# Altium PCB AEX1_PiOBD_V0.2_ALLPCB_6L.PcbDoc (part 1 of 4) (continued)
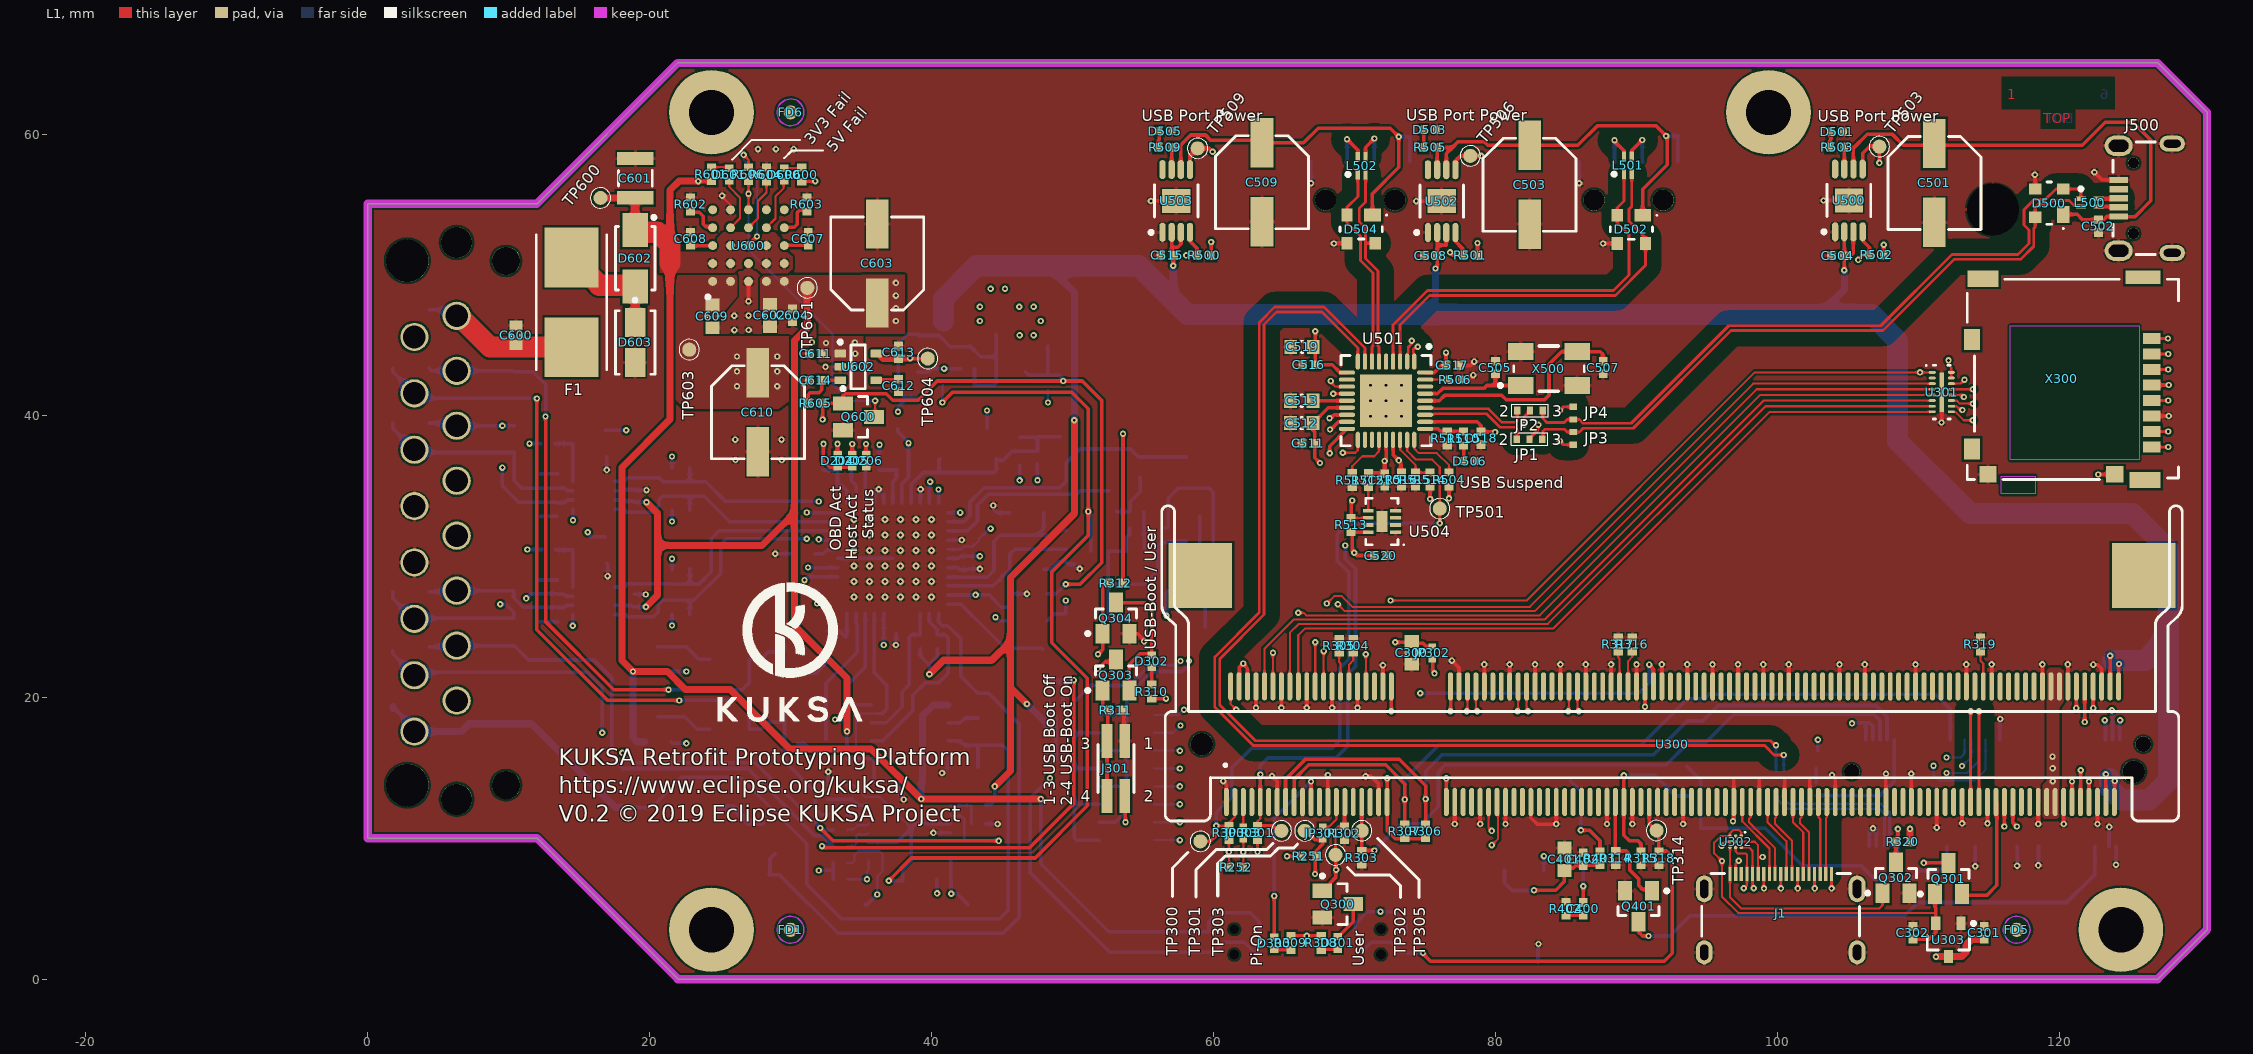
[diagram p0: L1 view]
## Classes and differential pairs (continued)
net class TP212_Nets: HS_CAN_TX
net class TP211_Nets: HS_CAN_RX
net class TP210_Nets: NetJP303_1
net class TP209_Nets: \PWR_SAVE
net class TP208_Nets: NetJP301_1
net class TP207_Nets: PWR_SAVE
net class TP205_Nets: MS_CAN_TX
net class TP204_Nets: MS_CAN_RX
net class TP203_Nets: ISO_K_RX
net class TP202_Nets: ISO_L_TX
net class TP201_Nets: SW_CAN_RX
net class TP200_Nets: SW_CAN_TX
net class TP109_Nets: NetC200_2
net class TP108_Nets: J1850_BUS+
net class TP107_Nets: NetD104_2
net class TP106_Nets: NetD103_2
net class TP105_Nets: K-LINE
net class TP104_Nets: J1850_BUS-
net class TP103_Nets: NetD104_1
net class TP102_Nets: NetD103_1
net class TP101_Nets: NetD101_1
net class TP100_Nets: DLC_RAW
net class S300_Nets: 3.3V NetR318_2
net class S200_Nets: DLC NetR247_2
net class R605_Nets: \PWR_SAVE NetC614_1
net class R604_Nets: GND NetR604_2
net class R603_Nets: GND NetR603_2
net class R602_Nets: GND NetR602_2
net class R601_Nets: DLC NetD601_A
net class R600_Nets: DLC NetD600_A
net class R517_Nets: GND NetR512_1
net class R516_Nets: GND NetR513_1
net class R515_Nets: GND NetR514_1
net class R514_Nets: 3.3V_SW NetR514_1
net class R513_Nets: 3.3V_SW NetR513_1
net class R512_Nets: 3.3V_SW NetR512_1
net class R511_Nets: GND NetR510_2
net class R510_Nets: NetD506_A NetR510_2
net class R509_Nets: NetC509_1 NetD505_A
net class R506_Nets: GND NetR506_2
net class R505_Nets: NetC503_1 NetD503_A
net class R504_Nets: 3.3V_SW NetR504_2
net class R503_Nets: NetC501_1 NetD501_A
net class R502_Nets: 3.3V_SW NetR502_2
net class R501_Nets: 3.3V_SW NetR501_2
net class R500_Nets: 3.3V_SW NetR500_2
net class R402_Nets: GND NetC400_1
net class R401_Nets: UIM1_DATA UIM1_PWR
net class R400_Nets: 3.3V_SW NetD400_A
net class R320_Nets: 1.8V HDMI_HPD_N_1V8
net class R319_Nets: GND NetR319_1
net class R318_Nets: GND NetR318_2
net class R317_Nets: GND NetR317_2
net class R316_Nets: GND NetR316_2
net class R315_Nets: GND NetQ400_G
net class R314_Nets: GND NetQ401_G
net class R308_Nets: 3.3V NetD301_A
net class R307_Nets: 3.3V_SW NetP400_26
net class R306_Nets: 3.3V_SW NetP400_8
net class R305_Nets: GND NetR305_2
net class R304_Nets: GND NetR304_2
net class R303_Nets: GND NetP400_6
net class R302_Nets: GND NetQ300_G
net class R301_Nets: 3.3V NetR301_1
net class R300_Nets: 3.3V NetR300_1
net class R250_Nets: ANALOG_IN GND
net class R249_Nets: GND NetR243_1
net class R248_Nets: ANALOG_IN DLC
net class R247_Nets: ANALOG_IN NetR247_2
net class R246_Nets: J1850_BUS+ NetR246_1
net class R245_Nets: GND J1850_BUS-_TX
net class R244_Nets: 3.3V VPW_RX
net class R243_Nets: 5V_SW NetR243_1
net class R242_Nets: 3.3V NetC213_1
net class R241_Nets: NetD206_A NetR241_1
net class R240_Nets: NetD205_C NetR240_1
net class R239_Nets: NetD204_C NetJP200_2
net class R238_Nets: 3.3V NetJP200_2
net class R237_Nets: J1850_BUS- NetD202_3
net class R236_Nets: J1850_BUS+ NetR236_1
net class R235_Nets: J1850_BUS- NetR235_1
net class R234_Nets: 3.3V PWM_RX
net class R233_Nets: NetC212_2 NetD103_1
net class R232_Nets: NetC211_2 NetD103_2
net class R231_Nets: GND J1850_BUS+_TX
net class R230_Nets: GND NetQ210_D
net class R229_Nets: 3.3V NetQ212_D
net class R228_Nets: J1850_BUS+ NetD201_1
net class R227_Nets: NetQ209_1 V_J1850
net class R226_Nets: NetQ210_D NetR225_1
net class R225_Nets: NetR225_1 V_J1850
net class R224_Nets: 3.3V MS_CAN_RX
net class R223_Nets: 3.3V HS_CAN_RX
net class R222_Nets: 3.3V MS_CAN_TX
net class R221_Nets: 3.3V HS_CAN_TX
net class R220_Nets: 3.3V NetJ300_4
net class R219_Nets: NetC206_2 NetD104_1
net class R218_Nets: NetC205_2 NetD104_2
net class R217_Nets: 3.3V \PWR_SAVE
net class R216_Nets: 3.3V NetQ208_D
net class R215_Nets: DLC PWR_SAVE
net class R214_Nets: 5V_SW SW_CAN_MODE0
net class R213_Nets: 5V_SW SW_CAN_MODE1
net class R212_Nets: ISO_K_RX NetQ204_1
net class R211_Nets: ISO_L_TX NetQ203_1
net class R210_Nets: GND SW_CAN_LOAD
net class R209_Nets: GND NetR205_2
net class R208_Nets: K-LINE NetQ201_3
net class R207_Nets: NetD101_1 NetQ200_3
net class R206_Nets: K-LINE NetR206_1
net class R205_Nets: DLC_SW NetR205_2
net class R204_Nets: 3.3V ISO_RX
net class R203_Nets: NetC200_2 NetQ202_D
net class R202_Nets: NetC200_2 NetR202_1
net class R201_Nets: 5V SW_CAN_TX
net class R200_Nets: 3.3V SW_CAN_RX
net class Q401_Nets: GND NetP400_67 NetQ401_G
net class Q400_Nets: GND NetP400_25 NetQ400_G
net class Q302_Nets: GND HDMI_HPD HDMI_HPD_N_1V8
net class Q301_Nets: H5V HDMI_CEC NetJ1_14
net class Q300_Nets: GND NetD301_C NetQ300_G
net class Q213_Nets: GND J1850_BUS- J1850_BUS-_TX
net class Q212_Nets: \PWR_SAVE GND NetQ212_D
net class Q211_Nets: GND J1850_BUS+_TX NetQ209_1
net class Q210_Nets: GND J1850_BUS+_VH NetQ210_D
net class Q209_Nets: NetD200_1 NetQ209_1 V_J1850
net class Q208_Nets: \PWR_SAVE GND NetQ208_D
net class Q205_Nets: DLC DLC_SW PWR_SAVE
net class Q204_Nets: GND K-LINE NetQ204_1
net class Q203_Nets: GND NetD101_1 NetQ203_1
net class Q202_Nets: GND NetQ202_D SW_CAN_LOAD
net class Q201_Nets: DLC NetQ201_3 PWR_SAVE
net class Q200_Nets: DLC NetQ200_3 PWR_SAVE
net class P400_Nets: 3.3V_SW GND NetD400_C NetP400_1 NetP400_6 NetP400_8 NetP400_20 NetP400_21 NetP400_22 NetP400_23 NetP400_24 NetP400_25 NetP400_26 NetP400_28 NetP400_29 NetP400_31 NetP400_35 NetP400_37 NetP400_38 NetP400_41 NetP400_42 NetP400_43 NetP400_44 NetP400_46 NetP400_47 NetP400_48 NetP400_49 NetP400_50 NetP400_52 NetP400_53 NetP400_54 NetP400_55 NetP400_56 NetP400_58 NetP400_60 NetP400_62 NetP400_64 NetP400_66 NetP400_67 NetP400_68 NetP400_69 NetP400_75 UIM1_CLK UIM1_DATA UIM1_PWR UIM1_RESET USB_LTE_N USB_LTE_P
net class P100_Nets: DLC_RAW GND J1850_BUS+ J1850_BUS- K-LINE NetC200_2 NetD101_1 NetD103_1 NetD103_2 NetD104_1 NetD104_2 NetP100_8 NetP100_9 NetP100_12 NetP100_13
net class L503_Nets: USB_LTE_N USB_LTE_P USBDN4_N USBDN4_P
net class L502_Nets: USB3_N USB3_P USBDN3_N USBDN3_P
net class L501_Nets: USB2_N USB2_P USBDN2_N USBDN2_P
net class L500_Nets: USB1_N USB1_P USBDNX_N USBDNX_P
net class JP200_Nets: GND NetJP200_2
net class J502_Nets: GND NetC509_1 USB3_N USB3_P
net class J501_Nets: GND NetC503_1 USB2_N USB2_P
net class J500_Nets: GND NetC501_1 USB1_N USB1_P
net class D601_Nets: NetD601_A NetD601_C
net class D600_Nets: NetD600_A NetD600_C
net class D506_Nets: GND NetD506_A
net class D505_Nets: GND NetD505_A
net class D504_Nets: GND NetC509_1 USBDN3_N USBDN3_P
net class D503_Nets: GND NetD503_A
net class D502_Nets: GND NetC503_1 USBDN2_N USBDN2_P
net class D501_Nets: GND NetD501_A
net class D400_Nets: NetD400_A NetD400_C
net class D301_Nets: NetD301_A NetD301_C
net class D207_Nets: ANALOG_IN GND
net class D206_Nets: GND NetD206_A
net class D205_Nets: 3.3V NetD205_C
net class D204_Nets: 3.3V NetD204_C
net class D203_Nets: 3.3V ANALOG_IN
net class D202_Nets: 5V_SW NetD202_3
net class D201_Nets: GND NetD201_1
net class D200_Nets: J1850_BUS+ NetD200_1
net class D104_Nets: GND NetD104_1 NetD104_2
net class D103_Nets: GND NetD103_1 NetD103_2
net class D102_Nets: GND J1850_BUS+ J1850_BUS-
net class D101_Nets: GND K-LINE NetD101_1
net class D100_Nets: GND NetC200_2 NetD100_3
net class C614_Nets: GND NetC614_1
net class C613_Nets: 1.8V GND
net class C612_Nets: GND NetC612_2
net class C611_Nets: 3.3V GND
net class C610_Nets: 3.3V GND
net class C609_Nets: 3.3V GND
net class C608_Nets: GND NetC608_1
net class C607_Nets: GND NetC607_1
net class C604_Nets: 5V GND
net class C603_Nets: 5V GND
net class C602_Nets: 5V GND
net class C601_Nets: DLC GND
net class C600_Nets: DLC_RAW GND
net class C202_Nets: 3.3V GND
net class C519_Nets: 3.3V_SW GND
net class C518_Nets: 3.3V_SW GND
net class C517_Nets: 3.3V_SW GND
net class C516_Nets: 3.3V_SW GND
net class C515_Nets: 5V_SW GND
net class C514_Nets: GND NetC509_1
net class C513_Nets: GND NetC513_2
net class C512_Nets: 3.3V_SW GND
net class C511_Nets: 3.3V_SW GND
net class C510_Nets: 3.3V_SW GND
net class C509_Nets: GND NetC509_1
net class C508_Nets: 5V_SW GND
net class C507_Nets: GND NetC507_1
net class C506_Nets: GND NetC503_1
net class C505_Nets: GND NetC505_1
net class C504_Nets: 5V_SW GND
net class C503_Nets: GND NetC503_1
net class C502_Nets: GND NetC501_1
net class C501_Nets: GND NetC501_1
net class C402_Nets: GND UIM1_PWR
net class C401_Nets: GND UIM1_PWR
net class C400_Nets: NetC400_1 UIM1_CLK
net class C207_Nets: 3.3V GND
net class C216_Nets: ANALOG_IN GND
net class C215_Nets: GND OSC2
net class C214_Nets: GND OSC1
net class C213_Nets: GND NetC213_1
net class C212_Nets: GND NetC212_2
net class C211_Nets: GND NetC211_2
net class C210_Nets: 5V GND
net class C209_Nets: GND NetC209_2
net class C208_Nets: DLC_SW GND
net class C206_Nets: GND NetC206_2
net class C205_Nets: GND NetC205_2
net class C204_Nets: 5V GND
net class C203_Nets: 3.3V GND
net class C201_Nets: DLC GND
net class C200_Nets: GND NetC200_2
differential pair class DIFF90: RPIUSB USB1 USB2 USB3 USB_LTE USB_RPI USBDN USBDN1 USBDN2 USBDN3 USBDN4 USBDNX USBDNZ
differential pair class DIFF100: CLK D0 D1 D2
net class X200_Nets: GND OSC1 OSC2
net class U203_Nets: 3.3V ANALOG_IN GND HS_CAN_RX HS_CAN_TX ISO_K_RX ISO_L_TX ISO_RX J1850_BUS+_TX J1850_BUS+_VH J1850_BUS-_TX MS_CAN_RX MS_CAN_TX NetC209_2 NetC213_1 NetJ300_2 NetJ300_4 NetJP200_2 NetJP301_1 NetJP303_1 NetR240_1 NetR241_1 NetR301_1 NetU?_2 NetU?_5 NetU?_8 NetU?_11 NetU?_15 NetU?_17 NetU?_21 NetU?_27 NetU?_36 NetU?_46 NetU?_47 NetU?_48 NetU?_52 NetU?_54 NetU?_58 NetU?_60 NetU?_63 NetU?_64 NetU?_65 NetU?_66 NetU?_70 NetU?_72 NetU?_75 NetU?_76 NetU?_77 NetU?_78 NetU?_87 NetU?_90 NetU?_93 NetU?_94 NetU?_95 NetU?_96 NetU?_99 NetU?_100 NetU?_101 NetU?_102 NetU?_105 NetU?_106 NetU?_107 NetU?_108 NetU?_112 NetU?_114 NetU?_118 NetU?_120 NetU?_124 NetU?_126 NetU?_128 NetU?_130 NetU?_132 NetU?_135 NetU?_136 NetU?_137 NetU?_138 NetU?_141 NetU?_142 NetU?_143 NetU?_144 NetU?_147 NetU?_148 NetU?_149 NetU?_150 NetU?_153 NetU?_154 NetU?_155 NetU?_156 NetU?_158 NetU?_159 NetU?_160 NetU?_161 NetU?_162 NetU?_166 NetU?_172 NetU?_174 NetU?_176 NetU?_177 NetU?_178 NetU?_179 NetU?_180 NetU?_A5 NetU?_B1 NetU?_C3 NetU?_E5 OSC1 OSC2 PWM_RX SW_CAN_LOAD SW_CAN_MODE0 SW_CAN_MODE1 SW_CAN_RX SW_CAN_TX VPW_RX
net class Q206_Nets: 5V 5V_SW PWR_SAVE
net class Q207_Nets: \PWR_SAVE GND PWR_SAVE
net class J1_Nets: CLK_N CLK_P D0_N D0_P D1_N D1_P D2_N D2_P GND H5V HDMI_HPD HDMI_SCL HDMI_SDA NetJ1_14 NetP?_2
net class U501_Nets: 3.3V_SW GND NetC505_1 NetC507_1 NetC513_2 NetR300_1 NetR500_2 NetR501_2 NetR502_2 NetR504_2 NetR506_2 NetR510_2 NetR512_1 NetR513_1 NetR514_1 NetTP503_1 NetTP506_1 NetTP509_1 USBDN1_N USBDN1_P USBDN2_N USBDN2_P USBDN3_N USBDN3_P USBDN4_N USBDN4_P USBDNZ_N USBDNZ_P
net class U600_Nets: 3.3V 5V DLC GND NetC607_1 NetC608_1 NetD600_C NetD601_C NetQ600_D NetR602_2 NetR603_2 NetR604_2 NetR606_1
net class D500_Nets: GND NetC501_1 NetD?_3 USBDNX_N USBDNX_P
net class X400_Nets: GND Net?_1 Net?_20 Net?_21 Net?_22 Net?_23 Net?_24 Net?_28 Net?_29 Net?_31 Net?_35 Net?_37 Net?_38 Net?_41 Net?_42 Net?_43 Net?_44 Net?_46 Net?_47 Net?_48 Net?_49 Net?_50 Net?_52 Net?_53 Net?_54 Net?_55 Net?_56 Net?_58 Net?_60 Net?_62 Net?_64 Net?_66 Net?_68 Net?_69 Net?_75 UIM1_CLK UIM1_DATA UIM1_PWR UIM1_RESET
net class U301_Nets: 3.3V_SW GND Net*?_20 Net*?_21 Net*?_34 NetU301_9 NetU301_10 NetU301_11 NetU301_12 NetU301_13 NetU301_14 SDX_CLK SDX_CMD SDX_D0 SDX_D1 SDX_D2 SDX_D3 WP/CD
component class U_USB_USB2534: C501 C502 C503 C504 C505 C506 C507 C508 C509 C510 C511 C512 C513 C514 C515 C516 C517 C518 C519 C520 D500 D501 D502 D503 D504 D505 D506 J500 J501 J502 JP1 JP2 JP3 JP4 L500 L501 L502 L503 R500 R501 R502 R503 R504 R505 R506 R509 R510 R511 R512 R513 R514 R515 R516 R517 TP501 TP503 TP506 TP509 U500 U501 U502 U503 U504 X500
component class U_OBD_STN2120: C200 C201 C202 C203 C204 C205 C206 C207 C208 C209 C210 C211 C212 C213 C214 C215 C216 C217 D200 D201 D202 D203 D204 D205 D206 D207 JP200 JP201 Q200 Q201 Q202 Q203 Q204 Q205 Q206 Q207 Q208 Q209 Q210 Q211 Q212 Q213 Q214 R200 R201 R202 R203 R204 R205 R206 R207 R208 R209 R210 R211 R212 R213 R214 R215 R216 R217 R218 R219 R220 R221 R222 R223 R224 R225 R226 R227 R228 R229 R230 R231 R232 R233 R234 R235 R236 R237 R238 R239 R240 R241 R242 R243 R244 R245 R246 R247 R248 R249 R250 R251 R252 S200 TP200 TP201 TP202 TP203 TP204 TP205 TP207 TP208 TP209 TP210 TP211 TP212 TP213 TP214 TP215 TP216 TP217 TP218 U200 U201 U202 U203 U204 U205 U206 X200
component class U_PWR_Supply: C600 C601 C602 C603 C604 C607 C608 C609 C610 C611 C612 C613 C614 D600 D601 D602 D603 F1 Q600 R600 R601 R602 R603 R604 R605 R606 TP600 TP601 TP603 TP604 U600 U602
component class U_RPI_CM3: C300 C301 C302 D300 D301 D302 J1 J300 J301 JP301 JP302 JP303 Q300 Q301 Q302 Q303 Q304 R300 R301 R302 R303 R304 R305 R306 R307 R308 R309 R310 R311 R312 R314 R315 R316 R317 R318 R319 R320 S300 TP300 TP301 TP302 TP303 TP305 TP314 U300 U301 U302 U303 X300
component class U_OBD_Connector: D100 D101 D102 D103 D104 P100 TP100 TP101 TP102 TP103 TP104 TP105 TP106 TP107 TP108 TP109
component class U_LTE_EM7455: C400 C401 C402 D400 MP1 P400 Q400 Q401 R400 R401 R402 TP400 TP401 TP402 TP403 TP410 X400
differential pair USBDNZ: +USBDNZ_P -USBDNZ_N
differential pair USBDNX: +USBDNX_P -USBDNX_N
differential pair USB_RPI: +USB_RPI_P -USB_RPI_N
differential pair USB_LTE: +USB_LTE_P -USB_LTE_N
differential pair USB3: +USB3_P -USB3_N
differential pair USB2: +USB2_P -USB2_N
differential pair USB1: +USB1_P -USB1_N
differential pair USBDN4: +USBDN4_P -USBDN4_N
differential pair USBDN3: +USBDN3_P -USBDN3_N
differential pair USBDN2: +USBDN2_P -USBDN2_N
differential pair USBDN1: +USBDN1_P -USBDN1_N
differential pair D2: +D2_P -D2_N
differential pair D1: +D1_P -D1_N
differential pair D0: +D0_P -D0_N
differential pair CLK: +CLK_P -CLK_N

## Components (designator, comment, footprint, x,y, rotation, side; value= is the part's Value field where it differs from the comment)
C200 "CAP 0402 150p -5% +5% 25V C0G" "CAP 0402 [1005 Metric] X050 N" 43.275,14.625 r90 bottom value=150pF
C201 "CAP 0603 4u7 -20% +20% 25V X5R" "CAP 0603 [1608 Metric] X080 N" 38.481,13.919 r0 bottom value=4,7µF
C202 "CAP 0402 1u -10% +10% 10V X6S" "CAP 0402 [1005 Metric] X050 N" 37.05,24.586 r180 bottom value=1µF
C203 "CAP 0402 100n -10% +10% 35V X5R" "CAP 0402 [1005 Metric] X050 N" 49.53,25.501 r90 bottom value=100nF
C204 "CAP 0402 1u -10% +10% 10V X6S" "CAP 0402 [1005 Metric] X050 N" 18.897,26.896 r90 bottom value=1µF
C205 "CAP 0402 560p -5% +5% 25V C0G" "CAP 0402 [1005 Metric] X050 N" 11.731,28.353 r0 bottom value=560pF
C206 "CAP 0402 560p -5% +5% 25V C0G" "CAP 0402 [1005 Metric] X050 N" 11.742,25.41 r0 bottom value=560pF
C207 "CAP 0402 1u -10% +10% 10V X6S" "CAP 0402 [1005 Metric] X050 N" 42.618,29.591 r90 bottom value=1µF
C208 "CAP 0402 100n -10% +10% 35V X5R" "CAP 0402 [1005 Metric] X050 N" 51.746,32.065 r180 bottom value=100nF
C209 "CAP 0603 10µF -10% + 10% 16V X5R" "CAP 0603 [1608 Metric] X080 N" 30.95,30.217 r0 bottom value=10µF
C210 "CAP 0402 1u -10% +10% 10V X6S" "CAP 0402 [1005 Metric] X050 N" 18.862,34.329 r90 bottom value=1µF
C211 "CAP 0402 560p -5% +5% 25V C0G" "CAP 0402 [1005 Metric] X050 N" 11.813,35.876 r0 bottom value=560pF
C212 "CAP 0402 560p -5% +5% 25V C0G" "CAP 0402 [1005 Metric] X050 N" 11.824,32.866 r0 bottom value=560pF
C213 "CAP 0402 1u -10% +10% 10V X6S" "CAP 0402 [1005 Metric] X050 N" 37.515,36.615 r90 bottom value=1µF
C214 "CAP 0402 30p -2% +2% 25V C0G" "CAP 0402 [1005 Metric] X050 N" 49.547,32.348 r90 bottom value=30pF
C215 "CAP 0402 30p -2% +2% 25V C0G" "CAP 0402 [1005 Metric] X050 N" 49.547,30.09 r270 bottom value=30pF
C216 "CAP 0402 100n -10% +10% 35V X5R" "CAP 0402 [1005 Metric] X050 N" 47.518,38.962 r270 bottom value=100nF
C217 "CAP 0402 100n -10% +10% 35V X5R" "CAP 0402 [1005 Metric] X050 N" 38.423,7.023 r180 bottom value=100nF
C300 "CAP 0603 4u7 -20% +20% 25V X5R" "CAP 0603 [1608 Metric] X080 N" 74.072,23.192 r90 top value=4,7µF
C301 "CAP 0402 100n -10% +10% 35V X5R" "CAP 0402 [1005 Metric] X050 N" 114.691,3.317 r270 top value=100nF
C302 "CAP 0402 100n -10% +10% 35V X5R" "CAP 0402 [1005 Metric] X050 N" 109.633,3.329 r270 top value=100nF
C400 "CAP 0402 47p -5% +5% 25V C0G" "CAP 0402 [1005 Metric] X050 N" 86.247,5.022 r90 top value=47pF
C401 "CAP 0603 4u7 -20% +20% 25V X5R" "CAP 0603 [1608 Metric] X080 N" 84.904,8.548 r270 top value=4,7µF
C402 "CAP 0402 100n -10% +10% 35V X5R" "CAP 0402 [1005 Metric] X050 N" 86.238,8.556 r270 top value=100nF
C501 "CAP2625 150u -20% +20% 10V" WCAP-ASLI_6.3x5.5 111.154,56.531 r90 top value=150µF
C502 "CAP 0402 100n -10% +10% 35V X5R" "CAP 0402 [1005 Metric] X050 N" 122.8,53.464 r270 top value=100nF
C503 "CAP2625 150u -20% +20% 10V" WCAP-ASLI_6.3x5.5 82.433,56.404 r90 top value=150µF
C504 "CAP 0402 100n -10% +10% 35V X5R" "CAP 0402 [1005 Metric] X050 N" 104.314,51.374 r0 top value=100nF
C505 "CAP 0402 30p -2% +2% 25V C0G" "CAP 0402 [1005 Metric] X050 N" 80.01,43.434 r90 top value=30pF
C506 "CAP 0402 100n -10% +10% 35V X5R" "CAP 0402 [1005 Metric] X050 N" 93.475,59.864 r0 bottom value=100nF
C507 "CAP 0402 30p -2% +2% 25V C0G" "CAP 0402 [1005 Metric] X050 N" 87.655,43.434 r270 top value=30pF
C508 "CAP 0402 100n -10% +10% 35V X5R" "CAP 0402 [1005 Metric] X050 N" 75.436,51.381 r0 top value=100nF
C509 "CAP2625 150u -20% +20% 10V" WCAP-ASLI_6.3x5.5 63.449,56.579 r90 top value=150µF
C510 "CAP 0402 100n -10% +10% 35V X5R" "CAP 0402 [1005 Metric] X050 N" 72.16,35.452 r270 top value=100nF
C511 "CAP 0402 100n -10% +10% 35V X5R" "CAP 0402 [1005 Metric] X050 N" 66.741,38.05 r180 top value=100nF
C512 "CAP 0603 4u7 -20% +20% 25V X5R" "CAP 0603 [1608 Metric] X080 N" 66.27,39.494 r0 top value=4,7µF
C513 "CAP 0603 4u7 -20% +20% 25V X5R" "CAP 0603 [1608 Metric] X080 N" 66.274,41.079 r0 top value=4,7µF
C514 "CAP 0402 100n -10% +10% 35V X5R" "CAP 0402 [1005 Metric] X050 N" 74.35,59.814 r0 bottom value=100nF
C515 "CAP 0402 100n -10% +10% 35V X5R" "CAP 0402 [1005 Metric] X050 N" 56.718,51.391 r0 top value=100nF
C516 "CAP 0402 100n -10% +10% 35V X5R" "CAP 0402 [1005 Metric] X050 N" 66.781,43.624 r180 top value=100nF
C517 "CAP 0402 100n -10% +10% 35V X5R" "CAP 0402 [1005 Metric] X050 N" 76.95,43.579 r0 top value=100nF
C518 "CAP 0402 100n -10% +10% 35V X5R" "CAP 0402 [1005 Metric] X050 N" 78.993,38.42 r270 top value=100nF
C519 "CAP 0603 4u7 -20% +20% 25V X5R" "CAP 0603 [1608 Metric] X080 N" 66.291,44.893 r0 top value=4,7µF
C520 "CAP 0402 100n -10% +10% 35V X5R" "CAP 0402 [1005 Metric] X050 N" 71.872,30.096 r0 top value=100nF
C600 "CAP 0603 10n -10% +10% 100V X7R" "CAP 0603 [1608 Metric] X100 L" 10.525,45.72 r270 top value=10nF
C601 "CAP 10uF 25V 1210(3225)" CAPC1210(3225)190_L 18.989,56.868 r270 top value=10uF
C602 "CAP 0603 10µF -10% + 10% 16V X5R" "CAP 0603 [1608 Metric] X080 N" 28.538,47.132 r90 top value=10µF
C603 "CAP2625 150u -20% +20% 10V" WCAP-ASLI_6.3x5.5 36.156,50.816 r270 top value=150µF
C604 "CAP 0402 1u -10% +10% 10V X6S" "CAP 0402 [1005 Metric] X050 N" 30.139,47.132 r90 top value=1µF
C607 "CAP 0402 100n -10% +10% 35V X5R" "CAP 0402 [1005 Metric] X050 N" 31.261,52.583 r90 top value=100nF
C608 "CAP 0402 100n -10% +10% 35V X5R" "CAP 0402 [1005 Metric] X050 N" 22.906,52.583 r90 top value=100nF
C609 "CAP 0603 10µF -10% + 10% 16V X5R" "CAP 0603 [1608 Metric] X080 N" 24.46,47.066 r90 top value=10µF
C610 "CAP2625 150u -20% +20% 10V" WCAP-ASLI_6.3x5.5 27.686,40.256 r90 top value=150µF
C611 "CAP 0402 1u -10% +10% 10V X6S" "CAP 0402 [1005 Metric] X050 N" 31.771,44.413 r0 top value=1µF
C612 "CAP 0402 1u -10% +10% 10V X6S" "CAP 0402 [1005 Metric] X050 N" 37.663,42.159 r90 top value=1µF
C613 "CAP 0402 1u -10% +10% 10V X6S" "CAP 0402 [1005 Metric] X050 N" 37.663,44.519 r270 top value=1µF
C614 "CAP 0402 100n -10% +10% 35V X5R" "CAP 0402 [1005 Metric] X050 N" 31.771,42.53 r180 top value=100nF
D100 "MMBZ27VCLT1" ONSC-SOT-23-3-318-08_V 9.398,19.108 r0 bottom
D101 "MMBZ27VALT1" ONSC-SOT-23-3-318-08_V 9.361,42.19 r180 bottom
D102 "MMBZ27VALT1" ONSC-SOT-23-3-318-08_V 9.397,22.752 r180 bottom
D103 "PESD1CAN" NXP-SOT23-3_V 9.398,38.354 r90 bottom
D104 "PESD1CAN" NXP-SOT23-3_V 9.357,26.641 r90 bottom
D200 "BAS16W" INF-SOT323_M 58.335,29.002 r180 bottom
D201 "BAS16W" INF-SOT323_M 58.354,24.358 r180 bottom
D202 "BAS16W" INF-SOT323_M 48.834,16.687 r270 bottom
D203 "BAS16W" INF-SOT323_M 43.958,38.043 r90 bottom
D204 "ROHM - SML-P11MT(R)" "ROHM - SML-P11x Series" 33.332,36.823 r90 top
D205 "ROHM - SML-P11MT(R)" "ROHM - SML-P11x Series" 34.382,36.824 r90 top
D206 "ROHM - SML-P11MT(R)" "ROHM - SML-P11x Series" 35.357,36.824 r270 top
D207 "BAS16W" INF-SOT323_M 40.566,38.031 r270 bottom
D300 "ROHM - SML-P11MT(R)" "ROHM - SML-P11x Series" 64.313,2.591 r90 top
D301 "ROHM - SML-P11MT(R)" "ROHM - SML-P11x Series" 68.817,2.604 r90 top
D302 "ROHM - SML-P11MT(R)" "ROHM - SML-P11x Series" 55.626,22.586 r90 top
D400 "ROHM - SML-P11MT(R)" "ROHM - SML-P11x Series" 102.781,13.515 r270 bottom
D500 "BGX50A" INF-SOT143_V 119.306,55.104 r180 top
D501 "ROHM - SML-P11MT(R)" "ROHM - SML-P11x Series" 104.264,60.176 r0 top
D502 "BGX50A" INF-SOT143_V 89.662,53.237 r270 top
D503 "ROHM - SML-P11MT(R)" "ROHM - SML-P11x Series" 75.366,60.319 r0 top
D504 "BGX50A" INF-SOT143_V 70.485,53.255 r270 top
D505 "ROHM - SML-P11MT(R)" "ROHM - SML-P11x Series" 56.601,60.216 r0 top
D506 "ROHM - SML-P11UT(R)" "ROHM - SML-P11x Series" 78.19,36.801 r0 top
D600 "ROHM - SML-P11UT(R)" "ROHM - SML-P11x Series" 29.554,57.122 r270 top
D601 "ROHM - SML-P11UT(R)" "ROHM - SML-P11x Series" 25.654,57.122 r270 top
D602 "VISHAY - S1A-E3" DIOM4227X23N 18.971,51.186 r270 top
D603 "SMAJ15A-E3/5A" VISH-DO-214AC-2_L 18.971,45.212 r270 top
F1 "LITTELFUSE - 154003.DRT." "LITTELFUSE - 154 OMNI-BLOK" 14.458,48.064 r90 top
FD1 "Fiducial Marker 1.0mm" "Fiducial Marker" 30,3.542 r0 top locked
FD2 "Fiducial Marker 1.0mm" "Fiducial Marker" 30,3.542 r90 bottom locked
FD3 "Fiducial Marker 1.0mm" "Fiducial Marker" 117,3.542 r90 bottom locked
FD4 "Fiducial Marker 1.0mm" "Fiducial Marker" 30,61.542 r90 bottom locked
FD5 "Fiducial Marker 1.0mm" "Fiducial Marker" 117,3.542 r90 top locked
FD6 "Fiducial Marker 1.0mm" "Fiducial Marker" 30,61.542 r90 top locked
J1 "685119136923" 685119136923 100.254,3.74 r0 top
J300 "62101621021" 62101621021 53.848,14.348 r270 bottom
J301 "62100421021" 62100421021 53.086,14.986 r180 top
J500 "629105150521" 629105150521 127.13,55.445 r90 top
J501 "629104190121" 629104190121 89.459,52.418 r180 bottom
J502 "629104190121" 629104190121 70.423,52.418 r180 bottom
JP1 "Solder Jumper Triple 0402 without Assembly" "Solder Jumper Triple 0402 without Assembly" 82.433,38.354 r0 top
JP2 "Solder Jumper Triple 0402 without Assembly" "Solder Jumper Triple 0402 without Assembly" 82.459,40.386 r0 top
JP3 "Solder Jumper 0402 bestückt" "Solder Jumper 0402 bestückt" 85.537,38.408 r270 top
JP4 "Solder Jumper 0402 bestückt" "Solder Jumper 0402 bestückt" 85.537,40.198 r90 top
JP200 "Solder Jumper 0402 unbestückt" "Solder Jumper 0402 unbestückt" 32.881,35.095 r0 bottom
JP201 "Solder Jumper 0402 unbestückt" "Solder Jumper 0402 unbestückt" 42.577,42.19 r0 bottom
JP301 "Solder Jumper 0402 unbestückt" "Solder Jumper 0402 unbestückt" 67.767,10.392 r90 top
JP302 "Solder Jumper 0402 bestückt" "Solder Jumper 0402 bestückt" 75.526,23.192 r270 top
JP303 "Solder Jumper 0402 unbestückt" "Solder Jumper 0402 unbestückt" 62.116,10.414 r90 top
L500 "DLP11SN900HL2L" MURA-1210-4_V 122.175,55.134 r0 top
L501 "DLP11SN900HL2L" MURA-1210-4_V 89.408,57.782 r90 top
L502 "DLP11SN900HL2L" MURA-1210-4_V 70.525,57.764 r90 top
L503 "DLP11SN900HL2L" MURA-1210-4_V 100.196,14.211 r270 bottom
MP1 "M2.5, height 1.5mm" 9774015151 115.305,54.637 r180 bottom
P100 "COMTECH ELECTRONIC CO., LTD ,CR-PG032" "a. OBD-Stekcer mit Winkel für Platinenmontage" 3.311,17.601 r90 bottom locked
P400 "TE connectivity  M.2 (NGFF) Connectors" "M.2 (NGFF) Connectors" 106.046,9.479 r0 bottom
Q200 "IRLML9301TRPBF" INF-SOT-23-3_V 20.574,22.749 r90 bottom
Q201 "IRLML9301TRPBF" INF-SOT-23-3_V 20.574,17.767 r90 bottom
Q202 "ON SEMICONDUCTOR - BSS138" SOT23127P600-8N 27.962,10.049 r90 bottom
Q203 "DIODES INCORPORATED - MMBT2222A-7-F" SOT23 29.567,22.749 r90 bottom
Q204 "DIODES INCORPORATED - MMBT2222A-7-F" SOT23 29.567,17.767 r90 bottom
Q205 "IRLML9301TRPBF" INF-SOT-23-3_V 39.914,42.19 r0 bottom
Q206 "IRLML9301TRPBF" INF-SOT-23-3_V 39.962,46.736 r0 bottom
Q207 "ON SEMICONDUCTOR - BSS138" SOT23127P600-8N 45.561,42.19 r180 bottom
Q208 "ON SEMICONDUCTOR - BSS138" SOT23127P600-8N 15.758,30.485 r180 bottom
Q209 "IRLML9301TRPBF" INF-SOT-23-3_V 59.034,31.988 r90 bottom
Q210 "ON SEMICONDUCTOR - BSS138" SOT23127P600-8N 53.702,35.641 r0 bottom
Q211 "ON SEMICONDUCTOR - BSS138" SOT23127P600-8N 59.034,35.981 r270 bottom
Q212 "ON SEMICONDUCTOR - BSS138" SOT23127P600-8N 15.758,38.036 r180 bottom
Q213 "ON SEMICONDUCTOR - BSS138" SOT23127P600-8N 48.834,22.356 r270 bottom
Q214 "IRLML9301TRPBF" INF-SOT-23-3_V 45.466,46.736 r0 bottom
Q300 "ON SEMICONDUCTOR - BSS138" SOT23127P600-8N 68.832,5.359 r0 top
Q301 "ON SEMICONDUCTOR - BSS138" SOT23127P600-8N 112.156,7.179 r90 top
Q302 "ON SEMICONDUCTOR - BSS138" SOT23127P600-8N 108.427,7.236 r90 top
Q303 "ON SEMICONDUCTOR - BSS138" SOT23127P600-8N 53.086,21.611 r90 top
Q304 "ON SEMICONDUCTOR - BSS138" SOT23127P600-8N 53.086,25.654 r90 top
Q400 "ON SEMICONDUCTOR - BSS138" SOT23127P600-8N 94.594,11.934 r270 bottom
Q401 "ON SEMICONDUCTOR - BSS138" SOT23127P600-8N 90.167,5.204 r270 top
Q600 "ON SEMICONDUCTOR - BSS138" SOT23127P600-8N 34.819,39.933 r0 top
R200 "RES 0402 1K 1% 62.5mW" "RES 0402 [1005 Metric]_N" 34,18.997 r90 bottom value=1k
R201 "RES 0402 1K5 1% 62.5mW" "RES 0402 [1005 Metric]_N" 34.007,16.187 r90 bottom value=1,5k
R202 "RES 0805 6K49 1% 125mW" "RES 0805 [2012 Metric] X070 N" 43.3,17.592 r270 bottom value=6.49k
R203 "RES 2512 130R 1% 2W" "RES 2512 [6432 Metric] M" 21.792,12.212 r180 bottom value=130
R204 "RES 0402 10K 1% 62.5mW" "RES 0402 [1005 Metric]_N" 33.528,7.123 r180 bottom value=10k
R205 "RES 0402 10K 1% 62.5mW" "RES 0402 [1005 Metric]_N" 33.886,13.309 r270 bottom value=10k
R206 "RES 0402 10K 1% 62.5mW" "RES 0402 [1005 Metric]_N" 33.528,11.71 r180 bottom value=10k
R207 "510R 5% 1210(3225)" RESC1210(3225)_L 25.654,22.749 r180 bottom value="510.00 Ohm"
R208 "510R 5% 1210(3225)" RESC1210(3225)_L 25.654,17.767 r180 bottom value="510.00 Ohm"
R209 "RES 0402 10K 1% 62.5mW" "RES 0402 [1005 Metric]_N" 32.654,13.309 r90 bottom value=10k
R210 "RES 0402 10K 1% 62.5mW" "RES 0402 [1005 Metric]_N" 27.962,7.433 r0 bottom value=10k
R211 "RES 0402 1K 1% 62.5mW" "RES 0402 [1005 Metric]_N" 32.602,24.245 r270 bottom value=1k
R212 "RES 0402 1K 1% 62.5mW" "RES 0402 [1005 Metric]_N" 32.45,16.567 r90 bottom value=1k
R213 "RES 0402 10K 1% 62.5mW" "RES 0402 [1005 Metric]_N" 39.2,23.976 r270 bottom value=10k
R214 "RES 0402 10K 1% 62.5mW" "RES 0402 [1005 Metric]_N" 40.422,23.976 r270 bottom value=10k
R215 "RES 0402 100K 1% 62.5mW" "RES 0402 [1005 Metric]_N" 42.577,43.355 r180 bottom value=100k
R216 "RES 0402 100K 1% 62.5mW" "RES 0402 [1005 Metric]_N" 12.852,30.522 r180 bottom value=100k
R217 "RES 0402 100K 1% 62.5mW" "RES 0402 [1005 Metric]_N" 48.26,42.379 r270 bottom value=100k
R218 "RES 0402 100R 1% 62.5mW" "RES 0402 [1005 Metric]_N" 13.458,27.86 r270 bottom value=100
R219 "RES 0402 100R 1% 62.5mW" "RES 0402 [1005 Metric]_N" 13.462,25.91 r90 bottom value=100
R220 "RES 0402 1K 1% 62.5mW" "RES 0402 [1005 Metric]_N" 31.898,28.092 r270 bottom value=1k
R221 "RES 0402 100K 1% 62.5mW" "RES 0402 [1005 Metric]_N" 21.59,35.835 r90 bottom value=100k
R222 "RES 0402 100K 1% 62.5mW" "RES 0402 [1005 Metric]_N" 21.59,28.572 r90 bottom value=100k
R223 "RES 0402 100K 1% 62.5mW" "RES 0402 [1005 Metric]_N" 21.59,33.803 r270 bottom value=100k
R224 "RES 0402 100K 1% 62.5mW" "RES 0402 [1005 Metric]_N" 21.59,26.425 r270 bottom value=100k
R225 "RES 0402 240R 1% 62.5mW" "RES 0402 [1005 Metric]_N" 54.549,32.049 r180 bottom value=240
R226 "RES 0402 866R 1% 62.5mW" "RES 0402 [1005 Metric]_N" 54.565,33.215 r0 bottom value=866
R227 "RES 0402 10K 1% 62.5mW" "RES 0402 [1005 Metric]_N" 56.789,31.607 r270 bottom value=10k
R228 "RES 0402 10K 1% 62.5mW" "RES 0402 [1005 Metric]_N" 57.168,26.67 r180 bottom value=10k
R229 "RES 0402 100K 1% 62.5mW" "RES 0402 [1005 Metric]_N" 12.766,38.036 r180 bottom value=100k
R230 "RES 0402 374R 1% 62.5mW" "RES 0402 [1005 Metric]_N" 52.652,33.215 r0 bottom value=374
R231 "RES 0402 10K 1% 62.5mW" "RES 0402 [1005 Metric]_N" 56.789,36.587 r90 bottom value=10k
R232 "RES 0402 100R 1% 62.5mW" "RES 0402 [1005 Metric]_N" 13.462,35.4 r270 bottom value=100
R233 "RES 0402 100R 1% 62.5mW" "RES 0402 [1005 Metric]_N" 13.42,33.409 r90 bottom value=100
R234 "RES 0402 10K 1% 62.5mW" "RES 0402 [1005 Metric]_N" 33.528,8.293 r180 bottom value=10k
R235 "RES 0402 10K 1% 62.5mW" "RES 0402 [1005 Metric]_N" 33.528,9.479 r180 bottom value=10k
R236 "RES 0402 10K 1% 62.5mW" "RES 0402 [1005 Metric]_N" 33.528,10.604 r180 bottom value=10k
R237 "RES 0402 10K 1% 62.5mW" "RES 0402 [1005 Metric]_N" 48.806,19.74 r180 bottom value=10k
R238 "RES 0402 100K 1% 62.5mW" "RES 0402 [1005 Metric]_N" 32.331,36.665 r90 bottom value=100k
R239 "RES 0402 1K 1% 62.5mW" "RES 0402 [1005 Metric]_N" 33.331,36.665 r90 bottom value=1k
R240 "RES 0402 1K 1% 62.5mW" "RES 0402 [1005 Metric]_N" 34.306,36.665 r90 bottom value=1k
R241 "RES 0402 1K 1% 62.5mW" "RES 0402 [1005 Metric]_N" 35.306,36.665 r90 bottom value=1k
R242 "RES 0402 10R 1% 62.5mW" "RES 0402 [1005 Metric]_N" 36.306,36.665 r90 bottom value=10
R243 "RES 0402 2K7 1% 62.5mW" "RES 0402 [1005 Metric]_N" 43.332,12.364 r0 bottom value=2,7k
R244 "RES 0402 10K 1% 62.5mW" "RES 0402 [1005 Metric]_N" 40.862,7.125 r180 bottom value=10k
R245 "RES 0402 10K 1% 62.5mW" "RES 0402 [1005 Metric]_N" 46.383,23.013 r90 bottom value=10k
R246 "RES 0402 10K 1% 62.5mW" "RES 0402 [1005 Metric]_N" 43.323,9.869 r0 bottom value=10k
R247 "RES 0402 330K 1% 62.5mW" "RES 0402 [1005 Metric] L" 47.518,37.056 r270 bottom value=330k
R248 "RES 0402 62K 1% 62.5mW" "RES 0402 [1005 Metric]_N" 46.253,37.006 r270 bottom value=62k
R249 "RES 0402 10K 1% 62.5mW" "RES 0402 [1005 Metric]_N" 43.323,11.064 r180 bottom value=10k
R250 "RES 0402 10K 1% 62.5mW" "RES 0402 [1005 Metric]_N" 46.256,38.962 r270 bottom value=10k
R251 "RES 0402 100K 1% 62.5mW" "RES 0402 [1005 Metric]_N" 66.759,8.755 r180 top value=100k
R252 "RES 0402 100K 1% 62.5mW" "RES 0402 [1005 Metric]_N" 61.616,7.962 r180 top value=100k
R300 "RES 0402 100K 1% 62.5mW" "RES 0402 [1005 Metric]_N" 61.1,10.414 r270 top value=100k
R301 "RES 0402 100K 1% 62.5mW" "RES 0402 [1005 Metric]_N" 63.132,10.414 r270 top value=100k
R302 "RES 0402 100K 1% 62.5mW" "RES 0402 [1005 Metric]_N" 69.292,10.392 r90 top value=100k
R303 "RES 0402 100K 1% 62.5mW" "RES 0402 [1005 Metric]_N" 70.525,8.654 r90 top value=100k
R304 "RES 0402 100K 1% 62.5mW" "RES 0402 [1005 Metric]_N" 69.925,23.692 r270 top value=100k
R305 "RES 0402 100K 1% 62.5mW" "RES 0402 [1005 Metric]_N" 68.925,23.692 r270 top value=100k
R306 "RES 0402 100K 1% 62.5mW" "RES 0402 [1005 Metric]_N" 75.057,10.537 r90 top value=100k
R307 "RES 0402 100K 1% 62.5mW" "RES 0402 [1005 Metric]_N" 73.574,10.537 r90 top value=100k
R308 "RES 0402 1K 1% 62.5mW" "RES 0402 [1005 Metric]_N" 67.653,2.604 r270 top value=1k
R309 "RES 0402 1K 1% 62.5mW" "RES 0402 [1005 Metric]_N" 65.507,2.604 r270 top value=1k
R310 "RES 0402 1K 1% 62.5mW" "RES 0402 [1005 Metric]_N" 55.626,20.444 r270 top value=1k
R311 "RES 0402 47K 1% 62.5mW" "RES 0402 [1005 Metric]_N" 53.086,19.126 r180 top value=47k
R312 "RES 0402 100K 1% 62.5mW" "RES 0402 [1005 Metric]_N" 53.086,28.135 r0 top value=100k
R314 "RES 0402 100K 1% 62.5mW" "RES 0402 [1005 Metric]_N" 88.544,8.632 r90 top value=100k
R315 "RES 0402 100K 1% 62.5mW" "RES 0402 [1005 Metric]_N" 90.341,8.618 r90 top value=100k
R316 "RES 0402 100K 1% 62.5mW" "RES 0402 [1005 Metric]_N" 89.725,23.792 r270 top value=100k
R317 "RES 0402 100K 1% 62.5mW" "RES 0402 [1005 Metric]_N" 88.725,23.792 r270 top value=100k
R318 "RES 0402 100K 1% 62.5mW" "RES 0402 [1005 Metric]_N" 91.606,8.618 r90 top value=100k
R319 "RES 0402 1K 1% 62.5mW" "RES 0402 [1005 Metric]_N" 114.425,23.792 r90 top value=1k
R320 "RES 0402 100K 1% 62.5mW" "RES 0402 [1005 Metric]_N" 108.927,9.775 r0 top value=100k
R400 "RES 0402 1K 1% 62.5mW" "RES 0402 [1005 Metric]_N" 102.781,15.507 r90 bottom value=1k
R401 "RES 0402 30K 1% 62.5mW" "RES 0402 [1005 Metric]_N" 87.433,8.618 r90 top value=30k
R402 "RES 0402 51R 1% 62.5mW" "RES 0402 [1005 Metric]_N" 85.011,5.029 r270 top value=51
R500 "RES 0402 10K 1% 62.5mW" "RES 0402 [1005 Metric]_N" 59.338,51.391 r180 top value=10k
R501 "RES 0402 10K 1% 62.5mW" "RES 0402 [1005 Metric]_N" 78.24,51.404 r180 top value=10k
R502 "RES 0402 10K 1% 62.5mW" "RES 0402 [1005 Metric]_N" 107.064,51.427 r180 top value=10k
R503 "RES 0402 1K 1% 62.5mW" "RES 0402 [1005 Metric]_N" 104.264,59.058 r180 top value=1k
R504 "RES 0402 100K 1% 62.5mW" "RES 0402 [1005 Metric]_N" 76.723,35.479 r90 top value=100k
R505 "RES 0402 1K 1% 62.5mW" "RES 0402 [1005 Metric]_N" 75.38,59.049 r180 top value=1k
R506 "RES 0402 12K 1% 62.5mW" "RES 0402 [1005 Metric] L" 77.15,42.579 r180 top value=12k
R509 "RES 0402 1K 1% 62.5mW" "RES 0402 [1005 Metric]_N" 56.601,59.052 r180 top value=1k
R510 "RES 0402 1K 1% 62.5mW" "RES 0402 [1005 Metric]_N" 77.751,38.395 r90 top value=1k
R511 "RES 0402 100K 1% 62.5mW" "RES 0402 [1005 Metric]_N" 76.596,38.408 r90 top value=100k
R512 "RES 0402 10K 1% 62.5mW" "RES 0402 [1005 Metric]_N" 70.999,35.445 r90 top value=10k
R513 "RES 0402 10K 1% 62.5mW" "RES 0402 [1005 Metric]_N" 69.769,32.261 r270 top value=10k
R514 "RES 0402 10K 1% 62.5mW" "RES 0402 [1005 Metric]_N" 75.375,35.479 r270 top value=10k
R515 "RES 0402 100K 1% 62.5mW" "RES 0402 [1005 Metric]_N" 74.35,35.479 r90 top value=100k
R516 "RES 0402 100K 1% 62.5mW" "RES 0402 [1005 Metric]_N" 73.35,35.479 r90 top value=100k
R517 "RES 0402 100K 1% 62.5mW" "RES 0402 [1005 Metric]_N" 69.856,35.445 r90 top value=100k
R600 "RES 0402 1K 1% 62.5mW" "RES 0402 [1005 Metric]_N" 30.79,57.122 r270 top value=1k
R601 "RES 0402 1K 1% 62.5mW" "RES 0402 [1005 Metric]_N" 24.388,57.15 r270 top value=1k
R602 "RES 0402 13K3 1% 62.5mW" "RES 0402 [1005 Metric]_N" 22.906,55.003 r270 top value=13,3k
R603 "RES 0402 8k25 1% 100mW" "RES 0402 [1005 Metric]_N" 31.161,55.003 r270 top value=8,25k
R604 "RES 0402 324K 1% 62.5mW" "RES 0402 [1005 Metric]_N" 28.288,57.122 r270 top value=324k
R605 "RES 0402 100K 1% 62.5mW" "RES 0402 [1005 Metric]_N" 31.771,40.898 r0 top value=100k
R606 "RES 0402 100K 1% 62.5mW" "RES 0402 [1005 Metric]_N" 27.014,57.15 r270 top value=100k
S200 "PANASONIC - EVQ-P7M01P" EVQP7M 61.482,2.678 r180 bottom
S300 "PANASONIC - EVQ-P7M01P" EVQP7M 71.882,2.678 r180 bottom
TP100 "Testpad, 1.0mm x 1.0mm, round" "Testpad, 1.0mm x 1.0mm, round" 4.356,47.549 r90 bottom
TP101 "Testpad, 1.0mm x 1.0mm, round" "Testpad, 1.0mm x 1.0mm, round" 4.356,43.369 r90 bottom
TP102 "Testpad, 1.0mm x 1.0mm, round" "Testpad, 1.0mm x 1.0mm, round" 4.356,39.497 r90 bottom
TP103 "Testpad, 1.0mm x 1.0mm, round" "Testpad, 1.0mm x 1.0mm, round" 4.356,27.526 r90 bottom
TP104 "Testpad, 1.0mm x 1.0mm, round" "Testpad, 1.0mm x 1.0mm, round" 4.356,23.622 r90 bottom
TP105 "Testpad, 1.0mm x 1.0mm, round" "Testpad, 1.0mm x 1.0mm, round" 1.778,43.369 r90 bottom
TP106 "Testpad, 1.0mm x 1.0mm, round" "Testpad, 1.0mm x 1.0mm, round" 1.778,39.514 r90 bottom
TP107 "Testpad, 1.0mm x 1.0mm, round" "Testpad, 1.0mm x 1.0mm, round" 1.778,27.517 r90 bottom
TP108 "Testpad, 1.0mm x 1.0mm, round" "Testpad, 1.0mm x 1.0mm, round" 1.778,23.31 r90 bottom
TP109 "Testpad, 1.0mm x 1.0mm, round" "Testpad, 1.0mm x 1.0mm, round" 1.778,19.369 r90 bottom
TP200 "Testpad, 1.0mm x 1.0mm, round" "Testpad, 1.0mm x 1.0mm, round" 35.95,13.965 r270 bottom
TP201 "Testpad, 1.0mm x 1.0mm, round" "Testpad, 1.0mm x 1.0mm, round" 34.046,20.791 r270 bottom
TP202 "Testpad, 1.0mm x 1.0mm, round" "Testpad, 1.0mm x 1.0mm, round" 33.916,24.292 r270 bottom
TP203 "Testpad, 1.0mm x 1.0mm, round" "Testpad, 1.0mm x 1.0mm, round" 34.046,22.568 r270 bottom
TP204 "Testpad, 1.0mm x 1.0mm, round" "Testpad, 1.0mm x 1.0mm, round" 22.86,25.905 r270 bottom
TP205 "Testpad, 1.0mm x 1.0mm, round" "Testpad, 1.0mm x 1.0mm, round" 22.86,29.149 r270 bottom
TP207 "Testpad, 1.0mm x 1.0mm, round" "Testpad, 1.0mm x 1.0mm, round" 42.729,44.958 r180 bottom
TP208 "Testpad, 1.0mm x 1.0mm, round" "Testpad, 1.0mm x 1.0mm, round" 44.34,27.048 r270 bottom
TP209 "Testpad, 1.0mm x 1.0mm, round" "Testpad, 1.0mm x 1.0mm, round" 48.26,44.958 r180 bottom
TP210 "Testpad, 1.0mm x 1.0mm, round" "Testpad, 1.0mm x 1.0mm, round" 43.332,31.239 r270 bottom
TP211 "Testpad, 1.0mm x 1.0mm, round" "Testpad, 1.0mm x 1.0mm, round" 22.86,33.303 r270 bottom
TP212 "Testpad, 1.0mm x 1.0mm, round" "Testpad, 1.0mm x 1.0mm, round" 22.86,36.331 r270 bottom
TP213 "Testpad, 1.0mm x 1.0mm, round" "Testpad, 1.0mm x 1.0mm, round" 49.547,35.351 r270 bottom
TP214 "Testpad, 1.0mm x 1.0mm, round" "Testpad, 1.0mm x 1.0mm, round" 35.296,5.334 r270 bottom
TP215 "Testpad, 1.0mm x 1.0mm, round" "Testpad, 1.0mm x 1.0mm, round" 37.592,39.078 r90 bottom
TP216 "Testpad, 1.0mm x 1.0mm, round" "Testpad, 1.0mm x 1.0mm, round" 49.148,38.512 r270 bottom
TP217 "Testpad, 1.0mm x 1.0mm, round" "Testpad, 1.0mm x 1.0mm, round" 42.58,5.334 r270 bottom
TP218 "Testpad, 1.0mm x 1.0mm, round" "Testpad, 1.0mm x 1.0mm, round" 44.339,24.4 r270 bottom
TP300 "Testpad, 1.0mm x 1.0mm, round" "Testpad, 1.0mm x 1.0mm, round" 59.074,9.817 r90 top
TP301 "Testpad, 1.0mm x 1.0mm, round" "Testpad, 1.0mm x 1.0mm, round" 64.825,10.56 r90 top
TP302 "Testpad, 1.0mm x 1.0mm, round" "Testpad, 1.0mm x 1.0mm, round" 68.665,8.856 r90 top
TP303 "Testpad, 1.0mm x 1.0mm, round" "Testpad, 1.0mm x 1.0mm, round" 66.481,10.56 r90 top
TP305 "Testpad, 1.0mm x 1.0mm, round" "Testpad, 1.0mm x 1.0mm, round" 70.525,10.569 r90 top
TP314 "Testpad, 1.0mm x 1.0mm, round" "Testpad, 1.0mm x 1.0mm, round" 91.449,10.585 r90 top
TP400 "Testpad, 1.0mm x 1.0mm, round" "Testpad, 1.0mm x 1.0mm, round" 93.644,16.759 r90 bottom
TP401 "Testpad, 1.0mm x 1.0mm, round" "Testpad, 1.0mm x 1.0mm, round" 93.625,18.352 r90 bottom
TP402 "Testpad, 1.0mm x 1.0mm, round" "Testpad, 1.0mm x 1.0mm, round" 93.624,15.138 r90 bottom
TP403 "Testpad, 1.0mm x 1.0mm, round" "Testpad, 1.0mm x 1.0mm, round" 93.644,19.932 r90 bottom
TP410 "Testpad, 1.0mm x 1.0mm, round" "Testpad, 1.0mm x 1.0mm, round" 92.381,3.099 r0 bottom
TP501 "Testpad, 1.0mm x 1.0mm, round" "Testpad, 1.0mm x 1.0mm, round" 76.061,33.42 r0 top
TP503 "Testpad, 1.0mm x 1.0mm, round" "Testpad, 1.0mm x 1.0mm, round" 107.254,59.107 r0 top
TP506 "Testpad, 1.0mm x 1.0mm, round" "Testpad, 1.0mm x 1.0mm, round" 78.232,58.452 r180 top
TP509 "Testpad, 1.0mm x 1.0mm, round" "Testpad, 1.0mm x 1.0mm, round" 58.881,58.989 r180 top
TP600 "Testpad, 1.0mm x 1.0mm, round" "Testpad, 1.0mm x 1.0mm, round" 16.51,55.468 r180 top
TP601 "Testpad, 1.0mm x 1.0mm, round" "Testpad, 1.0mm x 1.0mm, round" 31.184,49.087 r90 top
TP603 "Testpad, 1.0mm x 1.0mm, round" "Testpad, 1.0mm x 1.0mm, round" 22.812,44.704 r90 top
TP604 "Testpad, 1.0mm x 1.0mm, round" "Testpad, 1.0mm x 1.0mm, round" 39.733,44.069 r90 top
U200 "LM339DTBR2G" ONSC-TSSOP-14-948G-01_V 38.423,10.414 r0 bottom
U201 "MELEXIS - TH8056KDC-AAA-008-RE" SOIC127P600X172-8N 38.45,17.592 r0 bottom
U202 "SN74LVC1G32DBVR" DBV0005A_L 46.95,26.425 r0 bottom
U203 "OBD SOLUTIONS - STN2120" QFN65P800X800X100_HS-45N 37.25,29.892 r0 bottom
U204 "MICROCHIP - MCP2562-E/MF" SON65P300X100_HS-9N 16.058,26.885 r180 bottom
U205 "LM317LD13TR" SO8_L 53.189,28.049 r270 bottom
U206 "MICROCHIP - MCP2562-E/MF" SON65P300X100_HS-9N 16.068,34.36 r180 bottom
U300 "Raspberry PI - Compute Modul" "TE CONNECTIVITY -  1473005-4" 92.575,24.732 r90 top locked
U301 "STMICROELECTRONICS - EMIF06-MSD02N16" QFN0P117X348X55_HS-17N 111.68,41.69 r0 top